# KiCad board st225_20427.kicad_pcb (continued)
## Footprints (pads in the part's own frame, mm; a bottom-side part is the same pattern mirrored in y, then rotated) (continued)
SOP127P1065X265-16_SHRINK
  rect 1.2x0.55 smd: 1(-4.7,4.445) 2(-4.7,3.175) 3(-4.7,1.905) 4(-4.7,0.635) 5(-4.7,-0.635) 6(-4.7,-1.905) 7(-4.7,-3.175) 8(-4.7,-4.445) 9(4.7,-4.445) 10(4.7,-3.175) 11(4.7,-1.905) 12(4.7,-0.635) 13(4.7,0.635) 14(4.7,1.905) 15(4.7,3.175) 16(4.7,4.445)
SOP127P1065X265-20_SHRINK
  rect 1.5x0.55 smd: 1(-4.7,5.715) 2(-4.7,4.445) 3(-4.7,3.175) 4(-4.7,1.905) 5(-4.7,0.635) 6(-4.7,-0.635) 7(-4.7,-1.905) 8(-4.7,-3.175) 9(-4.699,-4.445) 10(-4.699,-5.715) 11(4.699,-5.715) 12(4.699,-4.445) 13(4.7,-3.175) 14(4.7,-1.905) 15(4.7,-0.635) 16(4.7,0.635) 17(4.7,1.905) 18(4.7,3.175) 19(4.7,4.445) 20(4.7,5.715)
SOP127P1250X255-24
  rect 1.5x0.55 smd: 1(-5.5,6.95) 2(-5.5,5.68) 3(-5.5,4.41) 4(-5.5,3.14) 5(-5.5,1.87) 6(-5.5,0.6) 7(-5.5,-0.67) 8(-5.5,-1.94) 9(-5.5,-3.21) 10(-5.5,-4.48) 11(-5.5,-5.75) 12(-5.5,-7.02) 13(5.5,-7.02) 14(5.5,-5.75) 15(5.5,-4.48) 16(5.5,-3.21) 17(5.5,-1.94) 18(5.5,-0.67) 19(5.5,0.6) 20(5.5,1.87) 21(5.5,3.14) 22(5.5,4.41) 23(5.5,5.68) 24(5.5,6.95)
SOP127P1270X305-28_SHRINK
  rect 1.5x0.55 smd: 1(-5.588,8.255) 2(-5.588,6.985) 3(-5.588,5.715) 4(-5.588,4.445) 5(-5.588,3.175) 6(-5.588,1.905) 7(-5.588,0.635) 8(-5.588,-0.635) 9(-5.588,-1.905) 10(-5.588,-3.175) 11(-5.588,-4.445) 12(-5.588,-5.715) 13(-5.588,-6.985) 14(-5.588,-8.255) 15(5.588,-8.255) 16(5.588,-6.985) 17(5.588,-5.715) 18(5.588,-4.445) 19(5.588,-3.175) 20(5.588,-1.905) 21(5.588,-0.635) 22(5.588,0.635) 23(5.588,1.905) 24(5.588,3.175) 25(5.588,4.445) 26(5.588,5.715) 27(5.588,6.985) 28(5.588,8.255)
SOT-23
  rrect 1.475x0.6 smd: 1(-0.938,0.95) 2(-0.938,-0.95) 3(0.938,0)
TO-126-3_Horizontal_TabDown
  oval 3.2x3.2 hole 3.2 unplated: (2.54,11.1)
  rect 1.8x1.8 hole 1: 1(0,0)
  oval 1.8x1.8 hole 1: 2(2.54,0) 3(5.08,0)

## Nets
+5V: C18.1 C28.1 C32.1 C33.1 C34.1 C35.1 C37.1 C38.1 C39.1 C40.1 C41.1 C42.1 C43.1 C47.1 C52.1 C53.1 C56.1 C57.1 C58.1 C59.1 CR1.2 J4.3 JP2.2 L8.2 Q7.2 R5.1 R9.2 R17.1 R24.2 R25.2 R30.2 R31.1 R54.2 R64.1 R78.2 R82.2 R83.2 R84.2 R87.2 R88.2 R90.2 RN1.8 RN2.8 RN3.8 U1.44 U2.20 U3.28 U4.20 U5.1 U6.1 U7.24 U8.1 U9.20 U11.20 U12.20 U13.14 U14.14 U15.14 U16.14 U17.14 U18.14 U19.20 U20.14 U21.30 U22.18 U23.14 U24.14 U25.14 U26.14 U29.16 U30.14 U31.16 U33.19 X1.14
+12V: C24.1 C27.1 C30.2 CR2.2 CR3.2 L6.1 L7.2 R15.1 R59.1 U10.1 U10.20
+12VA: C8.1 C25.2 C26.1 C29.1 L6.2 R75.2 U22.10 U33.28
GND: C1.2 C2.2 C8.2 C14.2 C15.1 C17.1 C18.2 C21.2 C22.2 C24.2 C25.1 C26.2 C27.2 C28.2 C29.2 C30.1 C32.2 C33.2 C34.2 C35.2 C37.2 C38.2 C39.2 C40.2 C41.2 C42.2 C43.2 C44.2 C47.2 C48.2 C51.2 C54.2 C55.2 C56.2 C57.2 C58.2 C59.2 J1.1 J1.5 J1.9 J1.13 J3.2 J3.3 J4.2 J8.1 J8.3 J8.5 J8.7 J8.9 J8.11 J8.13 J8.15 J8.17 J8.19 J8.20 J8.21 J8.22 J8.23 J8.24 J8.27 J8.28 J8.29 J8.30 J8.31 J8.33 J8.34 J8.35 J8.37 J8.39 J8.41 J8.43 J8.45 J8.47 J8.49 Q10.3 R7.1 R10.1 R13.2 R14.2 R16.1 R19.1 R27.2 R37.1 R38.1 R49.1 R55.2 R56.2 R58.1 R62.1 R72.2 R79.1 R81.1 R86.1 RN1.1 RN2.1 RN3.1 U1.21 U1.22 U2.1 U2.10 U3.14 U3.20 U4.1 U4.10 U5.12 U5.22 U6.22 U7.12 U7.19 U8.8 U8.14 U8.28 U9.10 U9.19 U10.4 U10.5 U10.6 U10.7 U10.14 U10.15 U10.16 U10.17 U11.1 U11.10 U11.19 U12.10 U13.7 U14.7 U15.7 U16.7 U17.7 U18.7 U19.1 U19.10 U20.7 U21.3 U21.4 U21.5 U21.13 U21.36 U21.42 U22.11 U23.7 U24.7 U24.12 U25.7 U26.7 U28.7 U29.1 U29.8 U30.7 U31.3 U31.8 U32.9 U33.5 U33.14 U33.20 X1.7
1FVFO: U8.23 U30.11 U31.7
/Analog and Interface/CLAMP: U8.19 U31.12
/Analog and Interface/COIL_A: J4.5 Q1.2 Q2.2 R26.2 R67.2
/Analog and Interface/COIL_B: C20.1 J4.7 Q3.2 Q4.2 R68.1
/Analog and Interface/COIL_TAP: CR1.1 D2.3 J4.4 Q5.2
/Analog and Interface/ENC_DATA: R6.2 U9.16 U33.17
/Analog and Interface/HDC1: J1.3 U22.9
/Analog and Interface/HDC2: J1.7 U22.8
/Analog and Interface/HDC3: J1.11 U22.7
/Analog and Interface/HDC4: J1.15 U22.6
/Analog and Interface/RDDATA: JP1.1 U8.17 U24.11 U25.6
/Analog and Interface/RGATE: U9.14 U31.10
/Analog and Interface/RPULL4: R79.2 U31.1 U31.5 U31.11
/Analog and Interface/RPULLUP3: R78.1 U29.3 U30.1 U30.4 U30.10 U30.13
/Analog and Interface/SEP_DATA: U8.22 U30.5
/Analog and Interface/SEPCLK: U8.24 U30.9
/Analog and Interface/SYNC_DATA: U9.12 U26.10 U30.2 U30.12
/Analog and Interface/U31_J: U26.8 U31.2
/Analog and Interface/VCO: U9.8 U31.4
/Analog and Interface/~{1S_RST}: U8.18 U24.8
/Analog and Interface/~{LOCKDET}: U9.13 U9.15 U26.9 U26.13 U31.13 U31.14
/Analog and Interface/~{MFMC}: JP3.2 U33.16
/Analog and Interface/~{RDDATA}: R6.1 U25.5 U33.18
/Analog and Interface/~{WGATE2}: U25.12 U33.23
/Digital and Stepper/A0: U2.2 U3.10
/Digital and Stepper/A1: U2.5 U3.9
/Digital and Stepper/A2: U2.6 U3.8
/Digital and Stepper/A3: U2.9 U3.7
/Digital and Stepper/A4: U2.12 U3.6
/Digital and Stepper/A5: U2.15 U3.5
/Digital and Stepper/A6: U2.16 U3.4
/Digital and Stepper/A7: U2.19 U3.3
/Digital and Stepper/A8: U1.24 U3.25
/Digital and Stepper/A9: U1.25 U3.24
/Digital and Stepper/A10: U1.26 U3.21
/Digital and Stepper/A11: U1.27 U3.23
/Digital and Stepper/A12: U1.28 U3.2
/Digital and Stepper/CLK_4M0: U23.8 U23.12
/Digital and Stepper/CLK_20M0: U23.6 U24.3 X1.8
/Digital and Stepper/INDEX_O: U4.6 U21.39
/Digital and Stepper/PHASE1: J6.1 R12.1 R21.1 R33.2
/Digital and Stepper/PHASE2: J6.2 R34.2 R41.1 R42.1
/Digital and Stepper/PHASE3: J6.3 R35.2 R47.1 R48.1
/Digital and Stepper/PHASE4: J6.5 R52.1 R57.2 R61.1
/Digital and Stepper/PORT_CE: U1.29 U13.5
/Digital and Stepper/SRAM_CE: U1.30 U3.26
/Digital and Stepper/STEP_CLK: U1.13 U10.9
/Digital and Stepper/STEP_DIR: U1.16 U10.12
/Digital and Stepper/STEP_OIC: U1.17 U10.10
/Digital and Stepper/STEPPER_ON: R63.1 U10.8
/Digital and Stepper/UNK_OUT_1: U4.2 U21.19
/Digital and Stepper/~{PSEN}: U1.32 U13.1
/Digital and Stepper/~{WRT_OK}: U1.14 U14.8
/SCSI/ACK: U6.43 U11.18
/SCSI/BOE: U13.10 U14.6
/SCSI/BSY: U6.35 U11.14
/SCSI/BSYO: U6.34 U15.1 U16.1 U16.2
/SCSI/CLKA: U5.3 U6.16
/SCSI/C~{D}: J8.46 RN3.4 U15.6
/SCSI/IO: U5.5 U16.9
/SCSI/I~{O}: J8.50 RN3.2
/SCSI/LO: U6.42 U19.11
/SCSI/MSG: U5.7 U15.12
/SCSI/PA_REQ: U5.4 U6.15
/SCSI/PARITY: J8.18 RN2.7
/SCSI/REQ: U6.44 U16.12
/SCSI/SA0: U6.3 U7.8
/SCSI/SA1: U6.4 U7.7
/SCSI/SA2: U6.5 U7.6
/SCSI/SA3: U6.6 U7.5
/SCSI/SA4: U6.7 U7.4
/SCSI/SA5: U6.8 U7.3
/SCSI/SA6: U6.9 U7.2
/SCSI/SA7: U6.10 U7.1
/SCSI/SA8: U6.11 U7.23
/SCSI/SA9: U6.12 U7.22
/SCSI/SD0: J8.2 RN1.7 U12.11 U17.11
/SCSI/SD1: J8.4 RN1.6 U12.13 U17.3
/SCSI/SD2: J8.6 RN1.5 U12.15 U17.6
/SCSI/SD3: J8.8 RN1.4 U12.17 U17.8
/SCSI/SD4: J8.10 RN1.3 U12.8 U18.3
/SCSI/SD5: J8.12 RN1.2 U12.2 U18.11
/SCSI/SD6: J8.14 RN2.5 U12.4 U18.8
/SCSI/SD7: J8.16 RN2.6 U12.6 U18.6
/SCSI/SDB0: U5.28 U7.9 U12.9 U19.3
/SCSI/SDB1: U5.18 U7.10 U12.7 U19.4
/SCSI/SDB2: U5.27 U7.11 U12.5 U19.7
/SCSI/SDB3: U5.19 U7.13 U12.3 U19.8
/SCSI/SDB4: U5.26 U7.14 U12.12 U19.13
/SCSI/SDB5: U5.20 U7.15 U12.18 U19.18
/SCSI/SDB6: U5.25 U7.16 U12.16 U19.17
/SCSI/SDB7: U5.21 U7.17 U12.14 U19.14
/SCSI/SDO0: U17.13 U19.2
/SCSI/SDO1: U17.2 U19.5
/SCSI/SDO2: U17.4 U19.6
/SCSI/SDO3: U17.10 U19.9
/SCSI/SDO4: U18.2 U19.12
/SCSI/SDO5: U18.13 U19.19
/SCSI/SDO6: U18.10 U19.16
/SCSI/SDO7: U18.4 U19.15
/SCSI/SEL: U6.37 U11.16
/SCSI/SELO: U6.36 U15.9
/SCSI/SRST: U11.12 U14.11
/SCSI/TMPWR: J8.26
/SCSI/~{ACK}: J8.38 RN2.4 U11.2
/SCSI/~{ATNB}: U5.8 U11.3
/SCSI/~{ATN}: J8.32 RN2.2 U11.17
/SCSI/~{BIE}: U6.40 U12.1 U12.19
/SCSI/~{BOE}: U6.41 U14.5
/SCSI/~{BSY}: J8.36 RN2.3 U11.6 U15.3
/SCSI/~{C}D: U5.6 U15.4
/SCSI/~{ET}: U6.38 U25.9
/SCSI/~{IO}: U16.8
/SCSI/~{MSG}: J8.42 RN3.6 U15.11
/SCSI/~{MS}: U6.32 U7.18
/SCSI/~{REQ}: J8.48 RN3.3 U16.11
/SCSI/~{RST}: J8.40 RN3.7 U11.8
/SCSI/~{SEL}: J8.44 RN3.5 U11.4 U15.8
/SCSI/~{SRAM_WE}: U6.33 U7.21 U14.3
AD0: U1.43 U2.3 U3.11 U4.7 U5.43 U6.28
AD1: U1.42 U2.4 U3.12 U4.4 U5.42 U6.27
AD2: U1.41 U2.7 U3.13 U4.3 U5.41 U6.26
AD3: U1.40 U2.8 U3.15 U4.13 U5.40 U6.25
AD4: U1.39 U2.13 U3.16 U4.14 U5.39 U6.24
AD5: U1.38 U2.14 U3.17 U4.17 U5.38 U6.23
AD6: U1.37 U2.17 U3.18 U4.18 U5.37 U6.21
AD7: R58.2 U1.36 U2.18 U3.19 U4.8 U5.36 U6.20
ALE: U1.33 U2.11 U5.2 U6.13
CLK_2M0: U21.37 U23.5 U28.2
CLK_10M0: U1.20 U5.14 U8.16 U9.17 U24.5
CS: U1.31 U5.33 U6.2
EWC_EN: U4.16 U13.13
HALL_IN: J4.1 R31.2 U21.34 U25.1 U27.7 U28.5
ID_DRV: R73.1 U4.5 U20.3 U20.9 U20.11
INDEX_Q: U1.11 U5.11 U21.41
NRZ: U5.31 U8.2
P1.2: U1.4 U21.25
P1.3: U1.5 U21.24
P1.4: U1.6 U21.23
P1.5: J9.5 U1.7 U21.22
P1.6: J9.3 U1.8 U21.21
P1.7: J9.1 U1.9 U21.20
RDREFCLK: U5.30 U8.21
RGATE2: U5.15 U8.25 U26.1
RPULL: R25.1 U24.1 U24.4 U24.13
WCURR0: U4.9 U22.13
WCURR1: U4.19 U22.2
WGATE2: U5.16 U8.27 U13.12 U25.13
WRITE_OK: U21.43 U33.10
WRT_OK: U14.9 U21.44 U22.12
~{DC_UNSAFE}: R18.1 U33.25
~{HDSEL1}: U1.2 U21.27 U22.17
~{HDSEL2}: U1.3 U21.26 U22.16
~{MCU_RD}: U1.19 U5.35 U6.18 U13.2
~{MCU_WR}: U1.18 U3.27 U5.34 U6.19 U14.13
~{SRST}: U1.15 U13.9 U14.10 U26.4
~{SYSRST}: U5.13 U6.14 U14.1 U21.35
~{WAM}/~{AMD}: U5.32 U8.3
~{WRT_FAULT}: U21.2 U33.24
Net-(C3-Pad1): C3.1 L2.2 L4.1
Net-(C3-Pad2): C3.2 L1.2 L3.1
Net-(C4-Pad2): C4.2 R1.2
Net-(C5-Pad2): C5.2 R2.2
Net-(C9-Pad1): C9.1 L5.1
Net-(C9-Pad2): C9.2 R4.1
Net-(C17-Pad2): C17.2 R9.1 R10.2 U33.15
Net-(C20-Pad2): C20.2 R26.1
Net-(C44-Pad1): C44.1 R80.1
Net-(C50-Pad2): C50.2 R81.2
Net-(CR2-K): CR2.1 Q5.1 R76.2 R91.2
Net-(CR3-K): CR3.1 Q1.1 Q3.1 R20.1 R28.1
Net-(D1-A): D1.2 R54.1
Net-(D1-K): D1.1 R53.2
Net-(J1-Pin_2): J1.2 U32.1
Net-(J1-Pin_4): J1.4 U32.2
Net-(J1-Pin_6): J1.6 U32.16
Net-(J1-Pin_8): J1.8 U32.15
Net-(J1-Pin_10): J1.10 U32.14
Net-(J1-Pin_12): J1.12 U32.13
Net-(J1-Pin_14): J1.14 U32.12
Net-(J1-Pin_16): J1.16 U32.11
Net-(J3-Pin_1): J3.1 L7.1
Net-(J3-Pin_4): J3.4 L8.1
Net-(J9-Pin_2): J9.2 U20.4
Net-(J9-Pin_4): J9.4 U20.10
Net-(J9-Pin_6): J9.6 U20.8
Net-(JP1-B): JP1.2 U29.2
Net-(JP2-A): JP2.1 R36.1
Net-(JP3-A): JP3.1 U8.10
Net-(L1-Pad1): L1.1 R1.1
Net-(L2-Pad1): L2.1 R2.1
Net-(Q1-B): Q1.3 R20.2 R22.1
Net-(Q2-B): Q2.3 R67.1 R69.2
Net-(Q2-E): Q2.1 Q4.1 R23.1 R27.1
Net-(Q3-B): Q3.3 R28.2 R29.1
Net-(Q4-B): Q4.3 R68.2 R70.2
Net-(Q5-B): Q5.3 Q6.2 R91.1
Net-(Q6-B): Q6.1 R74.1 R76.1
Net-(Q6-C): D2.1 Q6.3 R13.1
Net-(Q7-B): Q7.1 R73.2
Net-(Q7-C): Q7.3 R71.1
Net-(Q10-B): Q10.1 R60.1
Net-(Q10-E): Q10.2 R63.2
Net-(R12-Pad2): R12.2 R77.2
Net-(R21-Pad2): R21.2 R32.1
Net-(R22-Pad2): R22.2 R65.1
Net-(R29-Pad2): R29.2 R66.1
Net-(R39-Pad1): R39.1 R41.2
Net-(R40-Pad2): R40.2 R42.2
Net-(R43-Pad1): R43.1 R47.2
Net-(R45-Pad2): R45.2 R48.2
Net-(R50-Pad1): R50.1 R52.2
Net-(R51-Pad2): R51.2 R61.2
Net-(R53-Pad1): R53.1 R55.1 R56.1 U16.3
Net-(R59-Pad2): R59.2 R60.2 U20.12
Net-(R65-Pad2): R65.2 U27.3
Net-(R66-Pad2): R66.2 U27.6
Net-(R71-Pad2): R71.2 R72.1 U20.1 U27.1
Net-(R74-Pad2): R74.2 U20.2
Net-(R88-Pad1): R88.1 R89.2 U20.6
Net-(U1-RST): U1.10 U14.2
Net-(U1-~{EA}): R90.1 U1.35
Net-(U3-~{OE}): U3.22 U13.3
Net-(U4-LE): U4.11 U13.6
Net-(U4-O4): U4.12 U20.13
Net-(U7-~{OE}): U7.20 U14.4
Net-(U8-EWC): U8.13 U13.11
Net-(U8-MFMI): C55.1 R89.1 U8.9
Net-(U8-V1.5): R85.1 R86.2 U8.7
Net-(U8-V2.0): C54.1 R85.2 R87.1 U8.6
Net-(U8-~{MFMO}): U8.11 U20.5
Net-(U9-C1): C36.1 U9.5
Net-(U9-C2): C36.2 U9.6
Net-(U9-CPO): C48.1 R80.2 U9.4
Net-(U9-IBSET): C52.2 R83.1 U9.2
Net-(U9-IRSET): C53.2 R84.1 U9.3
Net-(U9-PG2): R82.1 U9.1
Net-(U9-PG3): C50.1 C51.1 U9.18
Net-(U9-RVCO): R16.2 U9.7
Net-(U10-L1): R43.2 R45.1 R49.2 U10.3
Net-(U10-L2): R50.2 R51.1 R62.2 U10.2
Net-(U10-L3): R32.2 R37.2 R77.1 U10.19
Net-(U10-L4): R38.2 R39.2 R40.1 U10.18
Net-(U10-~{F}/H): R64.2 U10.11
Net-(U13-Pad4): U13.4 U14.12
Net-(U13-Pad8): U13.8 U17.1 U17.5 U17.9 U17.12 U18.1 U18.5 U18.9 U18.12
Net-(U15-Pad10): U15.2 U15.5 U15.10 U15.13 U16.10 U16.13 U25.4
Net-(U21-UNK1): R19.2 U21.1
Net-(U21-UNK2): R57.1 U21.14
Net-(U21-UNK3): R35.1 U21.15
Net-(U21-UNK4): R34.1 U21.16
Net-(U21-UNK6): R33.1 U21.18
Net-(U21-~{DC_UNSAFE}): C22.1 R18.2 U21.31
Net-(U22-IWR1): R11.2 U22.19
Net-(U22-IWR2): R8.2 U22.14
Net-(U22-VCTAP): C2.1 R44.2 U22.1
Net-(U22-VHS): U22.20 U33.26
Net-(U22-~{HDSEL4}): R30.1 U22.15
Net-(U23-Mr): R24.1 U23.1 U23.13
Net-(U24A-D): U24.2 U24.6
Net-(U24B-Q): U24.9 U26.12
Net-(U24B-~{S}): U24.10 U29.13
Net-(U25-Pad2): U25.2 U27.2
Net-(U25-Pad3): U25.3 U26.6
Net-(U25-Pad8): U25.8 U26.5
Net-(U25-Pad11): U25.11 U26.3
Net-(U26-Pad11): U26.2 U26.11
Net-(U28-12V): C21.1 R15.2 U28.14
Net-(U28-COIL_A): R69.1 U28.11
Net-(U28-COIL_B): R70.1 U28.13
Net-(U28-H-OUT): R14.1 U28.3
Net-(U28-SENSE): R17.2 R23.2 U28.10
Net-(U29A-Cext): C23.2 U29.14
Net-(U29A-RCext): C23.1 R36.2 U29.15
Net-(U30A-C): U30.3 U31.6
Net-(U31B-~{R}): U25.10 U31.15
Net-(U32-12V): C1.1 R75.1 U32.10
Net-(U32-DI+): C6.1 R46.2 U32.5 U33.13
Net-(U32-DI-): C6.2 R46.1 U32.6 U33.12
Net-(U32-DO+): C5.1 U32.7
Net-(U32-DO-): C4.1 U32.8
Net-(U32-G+): C19.1 U32.3
Net-(U32-G-): C19.2 U32.4
Net-(U33A-VCT): R44.1 U33.27
Net-(U33A-WCURR): R7.2 R8.1 R11.1 U33.11
Net-(U33B-+ON): L5.2 U33.4
Net-(U33B--ON): R4.2 U33.3
Net-(U33B-DI+): C7.1 L4.2 R3.2 U33.1
Net-(U33B-DI-): C7.2 L3.2 R3.1 U33.2
Net-(U33B-DO+): C12.1 C13.1 U33.7
Net-(U33B-DO-): C10.1 C11.1 U33.6
Net-(U33C-+RDO): C15.2 U33.21
Net-(U33C-DI+): C12.2 C13.2 U33.9
Net-(U33C-DI-): C10.2 C11.2 U33.8
Net-(U33C-TMG1): C14.1 R5.2 U33.22

Pads without a net: D2 2; J4 6; J6 4; J8 25; U1 1 12 23 34; U3 1; U4 15; U5 9 10 17 23 24 29 44; U6 17 29 30 31 39; U8 4 5 12 15 20 26; U9 9 11; U10 13; U11 5 7 9 11 13 15; U16 4 5 6; U21 6 7 8 9 10 11 12 17 28 29 32 33 38 40; U22 3 4 5; U23 2 3 4 9 10 11; U27 4 5 8; U28 1 4 6 8 9 12 15 16; U29 4 5 6 7 9 10 11 12; U30 6 8; U31 9; X1 1

## Via types
v1: diameter 1.016, hole 0.508, Top to Bottom, 773 vias
v2: diameter 1.524, hole 0.762, Top to Bottom, 4 vias
v3: diameter 2.032, hole 1.016, Top to Bottom, 2 vias
v4: diameter 1.524, hole 1.016, Top to Bottom, 2 vias

## Routing (per net, layer and track width the routed paths; a pad name or vN(x,y) marks a point on that pad's centre or on a via; arc(x,y) is an arc through that point)
+5V: length 984
  Top w0.254: U4.20 30.1,97.28 29.84,97.03 29.46,97.03 28.83,96.39 ; U22.18 73.28,138.81 74.17,139.7 ; v1(28.7,96.27) 28.7,90.68 v1(28.32,90.3) ; 86.34,151.38 86.34,154.81 C52.1 86.21,155.45 R83.2 R82.2 ; R64.1 69.47,147.7 v1(69.09,148.08) ; R88.2 104.52,115.19 v1(105.03,115.7)
  Top w0.508: 126.15,124.59 126.11,124.59 125.73,124.21 125.73,123.44 126.36,122.81 128.52,122.81 130.17,121.16 ; v1(105.41,54.86) 106.68,54.86 108.42,53.12 C40.1 ; 74.17,139.7 74.29,139.83 75.56,139.83 75.82,139.57 ; v1(114.17,195.58) 114.68,195.07 116.46,195.07 117.16,194.37 R54.2 117.25,192.57 R9.2 ; 11.52,20.03 11.52,21.11 U7.24 ; 84.07,147.57 84.1,147.6 R84.2 ; 30.48,135 30.1,135.38 v1(30.1,136.27) ; 30.48,135 32.13,135 U13.14 30.52,133.44 30.48,133.48 30.48,135 ; R17.1 117.25,112.04 117.73,112.52 119.51,112.52 v1(119.63,112.4) ; v1(83.44,162.05) 84.2,162.81 R82.2 ; 84.07,140.84 85.47,140.84 86.19,140.12 C59.1 86.19,139.92 85.34,139.06 84.07,139.06 ; 93.34,35.56 95.29,35.56 C34.1 96.86,35.78 97.28,36.2 U19.20 ; 35.69,53.59 35.69,51.56 33.78,49.66 U5.1 ; RN2.8 83.81,18.55 82.8,19.56 U12.20 ; 120.49,115.02 121.75,115.02 v1(121.79,115.06) ; 86.34,151.38 84.07,151.38 ; v1(104.55,12.19) 105.66,12.19 105.92,12.45 105.92,14.86 106.67,15.61 RN1.8 ; v1(44.96,24.89) 45.05,24.89 C33.1 ; 35.69,33.78 35.18,34.29 U6.1 ; v1(93.85,146.18) 93.85,145.07 C42.1 ; U9.20 94.49,153.42 v1(95.5,152.4) ; v1(115.06,124.46) U26.14 ; C58.1 128.61,116.88 v1(128.52,116.97) ; 74.55,134.11 73.15,134.11 73.03,133.99 73.03,132.97 73.62,132.37 C57.1 ; v1(103.5,77.6) 106.4,77.6 R31.1 ; 84.07,158.62 84.46,159 R83.2 ; R87.2 84.07,132.46 ; C52.1 84.07,155.07 ; 78.99,25.4 78.99,24.8 C35.1 80.26,24.8 v1(80.26,26.67) 78.99,25.4
  Top w0.762: R30.2 77.34,130.43 76.2,130.43 74.55,132.08 74.55,134.11 75.56,134.11 76.33,134.87 v1(76.33,136.02) ; v1(84.07,134.62) 84.07,132.46 ; v1(16.76,24.26) 16.89,24.38 18.03,24.38 19.05,23.37 19.05,21.59 18.03,20.57 12.95,20.57 12.41,20.03 12.32,20.03 ; v1(15.11,38.23) 15.49,38.61 15.49,40.39 v1(15.24,40.64) ; U5.1 31.24,49.66 29.34,47.75 21.08,47.75 v1(19.05,49.78) ; 55.63,111.12 57.15,109.6 59.44,109.6 U21.30 ; Q7.2 103.4,91.57 v1(100.58,91.57)
  Top w1.016: v1(93.34,91.57) v1(100.58,91.57) ; v1(105.41,54.86) 105.03,54.86 103.89,56.01 103.12,56.01 101.85,57.28 v1(101.85,57.79) ; v1(67.56,191.39) v1(63.25,186.06) ; v1(76.33,136.02) 76.33,136.65 76.2,136.78 76.2,139.19 75.82,139.57 ; R78.2 109.88,117.07 v1(109.98,116.97) ; v1(54.74,112.01) 55.63,111.12
  Top w1.27: v1(10.8,19.3) 11.52,20.03 12.32,20.03 ; v1(83.44,162.05) 84.07,161.42 v1(84.07,134.62) ; v1(110.11,123.95) 109.98,123.83 v1(109.98,116.97) ; v1(62.99,36.2) 61.34,36.2 59.94,37.59 57.02,37.59 v1(55.88,36.45) ; 93.34,35.56 88.26,35.56 v1(87.12,34.42) v1(82.42,34.42) 80.26,32.26 v1(80.26,26.67) ; RN2.8 83.81,16.65 86.23,14.22 93.22,14.22 96.52,10.92 v1(96.52,10.8) ; v1(38.99,86.11) 37.72,84.84 37.72,82.17 39.12,80.77 39.12,73.91 39.75,73.28 39.75,65.28 40.77,64.26 40.77,58.67 35.69,53.59 ; v1(40.01,29.46) 35.69,33.78 ; v1(78.23,38.1) 78.23,37.72 v1(73.66,33.15)
  Bottom w0.762: v1(15.24,40.64) 16.64,42.04 16.64,47.37 v1(19.05,49.78) ; v1(16.76,24.26) 17.02,24.51 17.02,29.21 15.49,30.73 15.49,37.85 v1(15.11,38.23)
  Bottom w1.016: v1(109.73,134.62) 111.12,134.62 113.28,132.46 113.28,130.68 111.76,129.16 110.87,129.16 110.24,129.79 108.84,129.79 ; v1(95.5,133.35) 93.85,135 v1(93.85,146.18) 93.85,151 95.25,152.4 v1(95.5,152.4) 96.27,151.64 100.84,151.64 102.74,153.54 104.78,153.54 105.79,152.53 v1(107.57,152.53) ; v1(30.1,136.27) 29.97,136.4 29.97,137.54 29.21,138.3 22.1,138.3 v1(19.69,135.89) ; 68.96,165.61 64.77,165.61 63.75,164.59 61.98,164.59 61.21,165.35 61.21,184.02 v1(63.25,186.06) ; v1(101.85,57.79) 97.28,57.79 94.36,60.71 94.36,90.55 v1(93.34,91.57) ; v1(67.56,191.39) 73.79,197.61 112.14,197.61 v1(114.17,195.58) ; v1(103.5,77.6) 103.5,88.65 v1(100.58,91.57) ; v1(46.61,113.41) 47.24,114.05 48.9,114.05 50.93,112.01 v1(54.74,112.01)
  Bottom w1.27: 82.17,132.72 82.17,135.13 81.28,136.02 v1(76.33,136.02) ; 82.17,132.72 v1(84.07,134.62) ; 82.17,132.72 82.17,130.05 83.06,129.16 88.65,129.16 v1(89.66,130.18) ; 42.29,27.18 42.29,29.59 42.8,30.1 42.8,35.69 43.82,36.7 47.5,36.7 48.77,37.97 53.21,37.97 54.74,36.45 v1(55.88,36.45) ; 42.29,27.18 v1(40.01,29.46) ; 42.29,27.18 42.29,23.37 ; v1(105.41,54.86) 108.97,54.86 112.9,58.8 114.55,58.8 116.33,57.02 116.33,49.91 ; v1(73.66,33.15) 70.48,29.97 65.28,29.97 ; v1(78.23,38.1) 81.91,34.42 v1(82.42,34.42) ; 116.33,49.91 119.63,49.91 121.16,48.39 J4.3 ; 116.33,49.91 114.94,48.51 114.94,47.88 112.01,44.96 112.01,38.74 118.75,32 118.75,28.16 L8.2 ; 42.29,23.37 42.29,21.21 39.5,18.42 39.5,16.64 38.23,15.37 21.08,15.37 19.81,14.1 19.81,9.02 ; 42.29,23.37 43.82,24.89 v1(44.96,24.89) ; v1(69.09,148.08) 69.47,148.46 69.47,165.1 68.96,165.61 73.03,169.67 79.38,169.67 83.44,165.61 v1(83.44,162.05) ; 65.28,29.97 65.28,32.89 63.75,34.42 63.75,35.43 v1(62.99,36.2) ; 65.28,29.97 65.28,26.67 v1(64.13,25.53) ; v1(7.49,9.02) 7.62,8.89 10.67,8.89 ; v1(93.34,91.57) 91.82,93.09 91.82,97.92 90.55,99.19 90.55,100.33 95,104.78 95,105.66 96.9,107.57 96.9,110.11 102.49,115.7 v1(105.03,115.7) 106.3,116.97 v1(109.98,116.97) ; RN2.8 83.81,17.54 80.26,21.08 v1(80.26,26.67) ; v1(96.52,10.8) 100.58,10.8 101.98,12.19 v1(104.55,12.19) ; 19.81,9.02 14.86,9.02 14.73,8.89 10.67,8.89 ; 19.81,9.02 20.57,9.02 24.77,4.83 72.77,4.83 74.17,6.22 82.04,6.22 82.93,5.33 101.73,5.33 115.32,18.92 v3(116.2,18.92) ; 108.84,129.79 108.2,129.16 108.2,125.86 v1(110.11,123.95) 112.27,123.95 112.78,124.46 v1(115.06,124.46) ; v1(20.95,89.15) 22.23,89.15 23.49,90.42 23.49,92.33 24.26,93.09 25.4,93.09 28.19,90.3 v1(28.32,90.3) ; 10.67,8.89 10.41,8.89 8.25,11.05 8.25,16.76 v1(10.8,19.3)
  vias: v1(17.91,124.84) v1(19.3,131.83) v1(31.88,122.17) v1(37.59,112.65)
+12V: length 24.5
  Top w0.508: v1(62.61,154.43) U10.20 U10.1 ; 111.54,35.78 112.14,35.18 112.14,33.37 C24.1 113,32.51 110.74,32.51 110.74,35.05 111.38,35.69 C27.1 111.54,35.78 ; R15.1 85.7,105.66 84.58,105.66 v1(83.44,106.81) 83.95,107.32 86.23,107.32 86.72,106.83 R15.1
  Top w0.762: v1(52.45,139.19) 52.58,139.06 55.14,139.06 R59.1
  vias: v1(124.08,143.51) v3(67.94,98.68) v4(45.47,100.33)
+12VA: length 5
  Top w0.508: v1(129.92,159.26) 129.79,159.39 U33.28 ; R75.2 107.09,184.18 v1(107.06,184.15)
  vias: v1(80.9,154.43) v1(124.08,152.78) v4(130.3,145.42)
GND: length 171.7
  Top w0.254: C47.2 34.46,84.16 v1(34.67,83.95) ; U7.19 11.97,27.47 14.22,29.72 v1(14.22,32.51) ; U31.3 112.47,137.23 v1(111.51,136.27)
  Top w0.508: 98.3,24.73 97.83,24.73 97.16,25.4 97.16,32.39 v1(96.65,32.89) 97.37,33.62 98.3,33.62 ; v1(22.48,36.96) 22.52,36.92 U7.12 ; v1(108.84,164.47) 107.95,163.58 106.43,163.58 106.08,163.23 C51.2 ; U2.1 13.08,86.11 v1(14.35,87.38) ; v1(22.48,116.84) 24.64,116.84 25.91,118.11 27.81,118.11 28.32,117.6 U23.7
  Top w1.016: v1(17.14,31.24) 15.88,32.51 v1(14.22,32.51)
  Bottom w0.254: 91.44,152.53 91.44,133.1 91.82,132.72 91.82,125.35 94.11,123.06 94.74,123.06 ; J1.1 82.95,174.99 87.63,170.31 87.63,162.18 83.06,157.61 83.06,154.31 81.91,153.16 79.5,153.16 78.87,152.53 78.87,150.75 v1(79.63,149.99)
  Bottom w1.016: v1(17.14,31.24) 17.14,31.62 v1(22.48,36.96) ; v1(105.03,167) 106.3,167 v1(108.84,164.47) ; v1(14.22,32.51) 14.22,35.43 v1(12.7,36.96) ; v1(93.98,30.61) 94.36,30.61 v1(96.65,32.89) ; v1(22.48,116.84) 21.97,116.84 21.59,116.46 19.56,116.46 16.38,119.63 v1(14.73,119.63) ; v1(98.17,178.56) 98.19,178.58 J1.13 ; v1(14.35,87.38) 14.35,87.25 16.89,84.71 21.21,84.71 22.99,82.93 v1(26.16,82.93) 27.3,84.07 34.54,84.07 v1(34.67,83.95)
  vias: v1(1.9,37.08) v1(3.17,37.08) v1(7.62,22.35) v1(7.62,20.45) v1(59.31,150.11) v1(59.31,147.57) v1(60.71,150.11) v1(60.71,147.57) v1(66.29,195.83) v1(66.42,197.74) v1(86.11,178.05) v1(87.12,189.36) v1(91.06,189.48) v1(91.69,173.48) v1(95,189.36) v1(95.38,139.19) v1(98.17,176.02) v1(98.68,189.23) v1(102.62,189.36) v1(103,132.21) v1(103.25,185.04) v1(104.78,173.23) v1(105.66,143) v1(107.44,155.7) v1(108.08,158.88) v1(108.84,155.7) v1(109.47,158.75) v1(110.62,145.54) v1(111.63,142.24) v1(114.94,132.84) v1(117.22,153.29) v1(122.81,149.23) v1(123.32,161.54) v1(125.35,177.93) v1(126.62,177.93) v1(127.25,167.77) v1(127.25,166.37) v1(128.02,177.93) v1(128.78,28.19) v1(128.78,26.16) v1(129.16,177.93) v1(129.41,36.2)
1FVFO: length 40.9
  Top w0.254: 103.11,126.11 102.36,126.11 101.6,126.87 101.6,128.78 104.9,132.08 v1(105.79,132.08) 106.93,133.22 108.97,133.22 109.6,132.59 109.6,128.65 v1(109.85,128.4) 109.73,128.27 U30.11 ; 114.81,130.81 v1(114.94,130.94) 116.08,132.08 116.08,135.38 116.97,136.27 116.97,138.18 116.33,138.81 116.33,140.59 114.61,142.31 U31.7
  Bottom w0.254: v1(109.85,128.4) 110.24,128.02 112.14,128.02 114.94,130.81 v1(114.94,130.94)
/Analog and Interface/CLAMP: length 29.4
  Top w0.254: U8.19 102.23,121.03 101.73,121.54 101.73,124.97 v1(101.22,125.48) ; U31.12 109.42,139.77 v1(110.11,140.46)
  Bottom w0.254: v1(101.22,125.48) 106.93,131.19 106.93,133.22 105.28,134.87 105.28,138.43 107.31,140.46 v1(110.11,140.46)
/Analog and Interface/COIL_A: length 67.5
  Top w0.508: v1(114.3,70.74) R26.2
  Top w0.762: Q2.2 115.19,84.58 112.78,87 R67.2
  Bottom w1.27: 118.24,75.95 122.43,71.76 122.43,61.09 126.87,56.64 126.87,45.72 124.46,43.31 J4.5 ; 118.24,75.95 117.98,75.69 Q1.2 114.68,75.69 113.16,74.17 113.16,71.88 v1(114.3,70.74) ; 118.24,75.95 118.24,84.46 115.76,84.46 Q2.2
/Analog and Interface/COIL_B: length 80
  Top w1.016: 117.54,105.41 118.36,105.41 120.01,103.76 120.01,75.44 117.73,73.15 117.73,71.25 v2(117.09,70.61) ; R68.1 114.77,102.9 Q4.2 ; J4.7 121.03,38.23 119.38,39.88 119.38,49.02 118.36,50.04 118.36,53.59 119.51,54.74 119.51,60.45 v2(120.14,61.09)
  Top w1.27: 117.54,96.39 120.01,96.39
  Bottom w1.016: v2(117.09,70.61) 117.47,70.61 120.01,68.07 120.01,61.21 v2(120.14,61.09)
/Analog and Interface/COIL_TAP: length 41.3
  Top w0.508: D2.3 113.62,39.55 v1(113.66,39.5)
  Bottom w0.762: J4.4 118.87,45.85 CR1.1 113.66,43.18 v1(113.66,39.5)
  Bottom w1.27: 116.27,65.41 117.22,65.41 118.24,64.39 118.24,59.69 121.41,56.52 122.3,56.52 124.21,54.61 124.21,47.37 122.68,45.85 J4.4
/Analog and Interface/ENC_DATA: length 26.6
  Top w0.254: R6.2 113.13,158.01 v1(113.92,157.23) 114.43,157.23 115.32,158.12 U33.17 ; U9.16 97.79,158.5 v1(97.54,158.75)
  Bottom w0.254: v1(113.92,157.23) 105.79,157.23 102.23,160.78 99.57,160.78 v1(97.54,158.75)
/Analog and Interface/HDC1: length 41.8
  Top w0.254: U22.9 82.04,146.43 81.15,147.32 81.15,151 v1(80.39,151.77)
  Bottom w0.254: v1(80.39,151.77) 82.42,151.77 83.95,153.29 83.95,157.23 88.52,161.8 88.52,172.59 84.71,176.4 84.71,180.27 85.35,180.91
/Analog and Interface/HDC2: length 41.5
  Top w0.254: U22.8 81.53,145.16 81.15,145.54 81.15,146.69 80.01,147.83 v1(80.01,148.08)
  Bottom w0.254: v1(80.01,148.08) 80.14,148.08 84.58,152.53 84.58,156.97 89.15,161.54 89.15,179.63 90.43,180.91
/Analog and Interface/HDC3: length 46.1
  Top w0.254: v1(80.01,146.05) 80.01,145.92 82.04,143.89 U22.7
  Bottom w0.254: 95.51,180.91 93.8,179.2 91.19,179.2 89.79,177.8 89.79,160.91 85.22,156.34 85.22,151.13 82.3,148.21 82.17,148.21 v1(80.01,146.05)
/Analog and Interface/HDC4: length 52.5
  Top w0.254: v1(80.26,144.27) 80.26,143.89 81.53,142.62 82.3,142.62
  Bottom w0.254: v1(80.26,144.27) 80.26,144.53 86.23,150.5 86.23,156.46 90.42,160.66 90.42,176.28 91.44,177.29 99.06,177.29 100.59,178.83 100.59,180.91
